# Altium PCB Terra.PcbDoc (part 1 of 7) (continued)
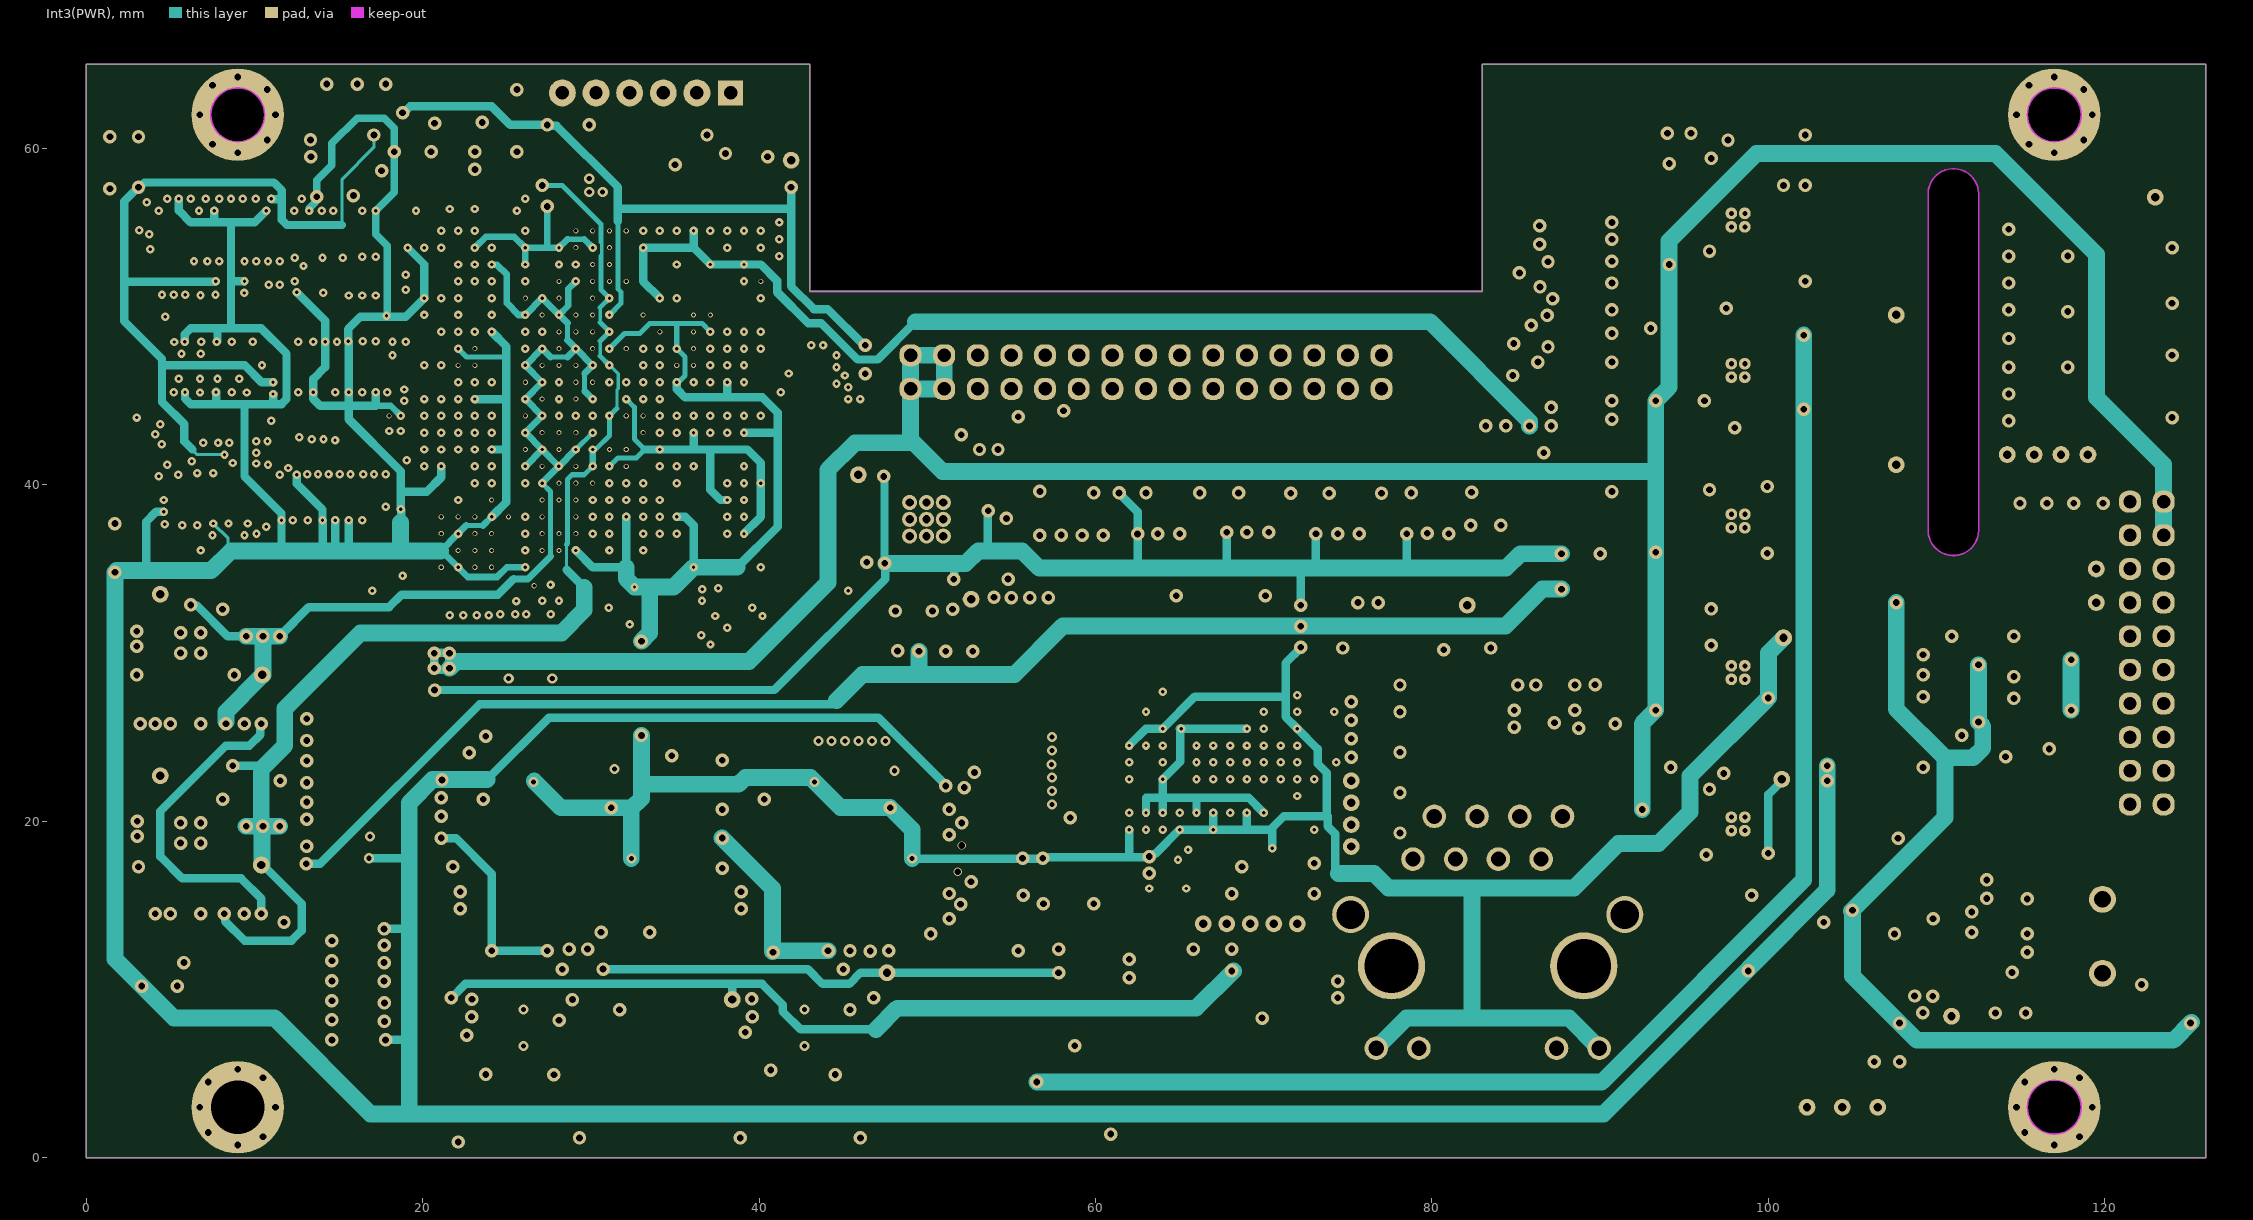
[diagram p4: Int3(PWR)]
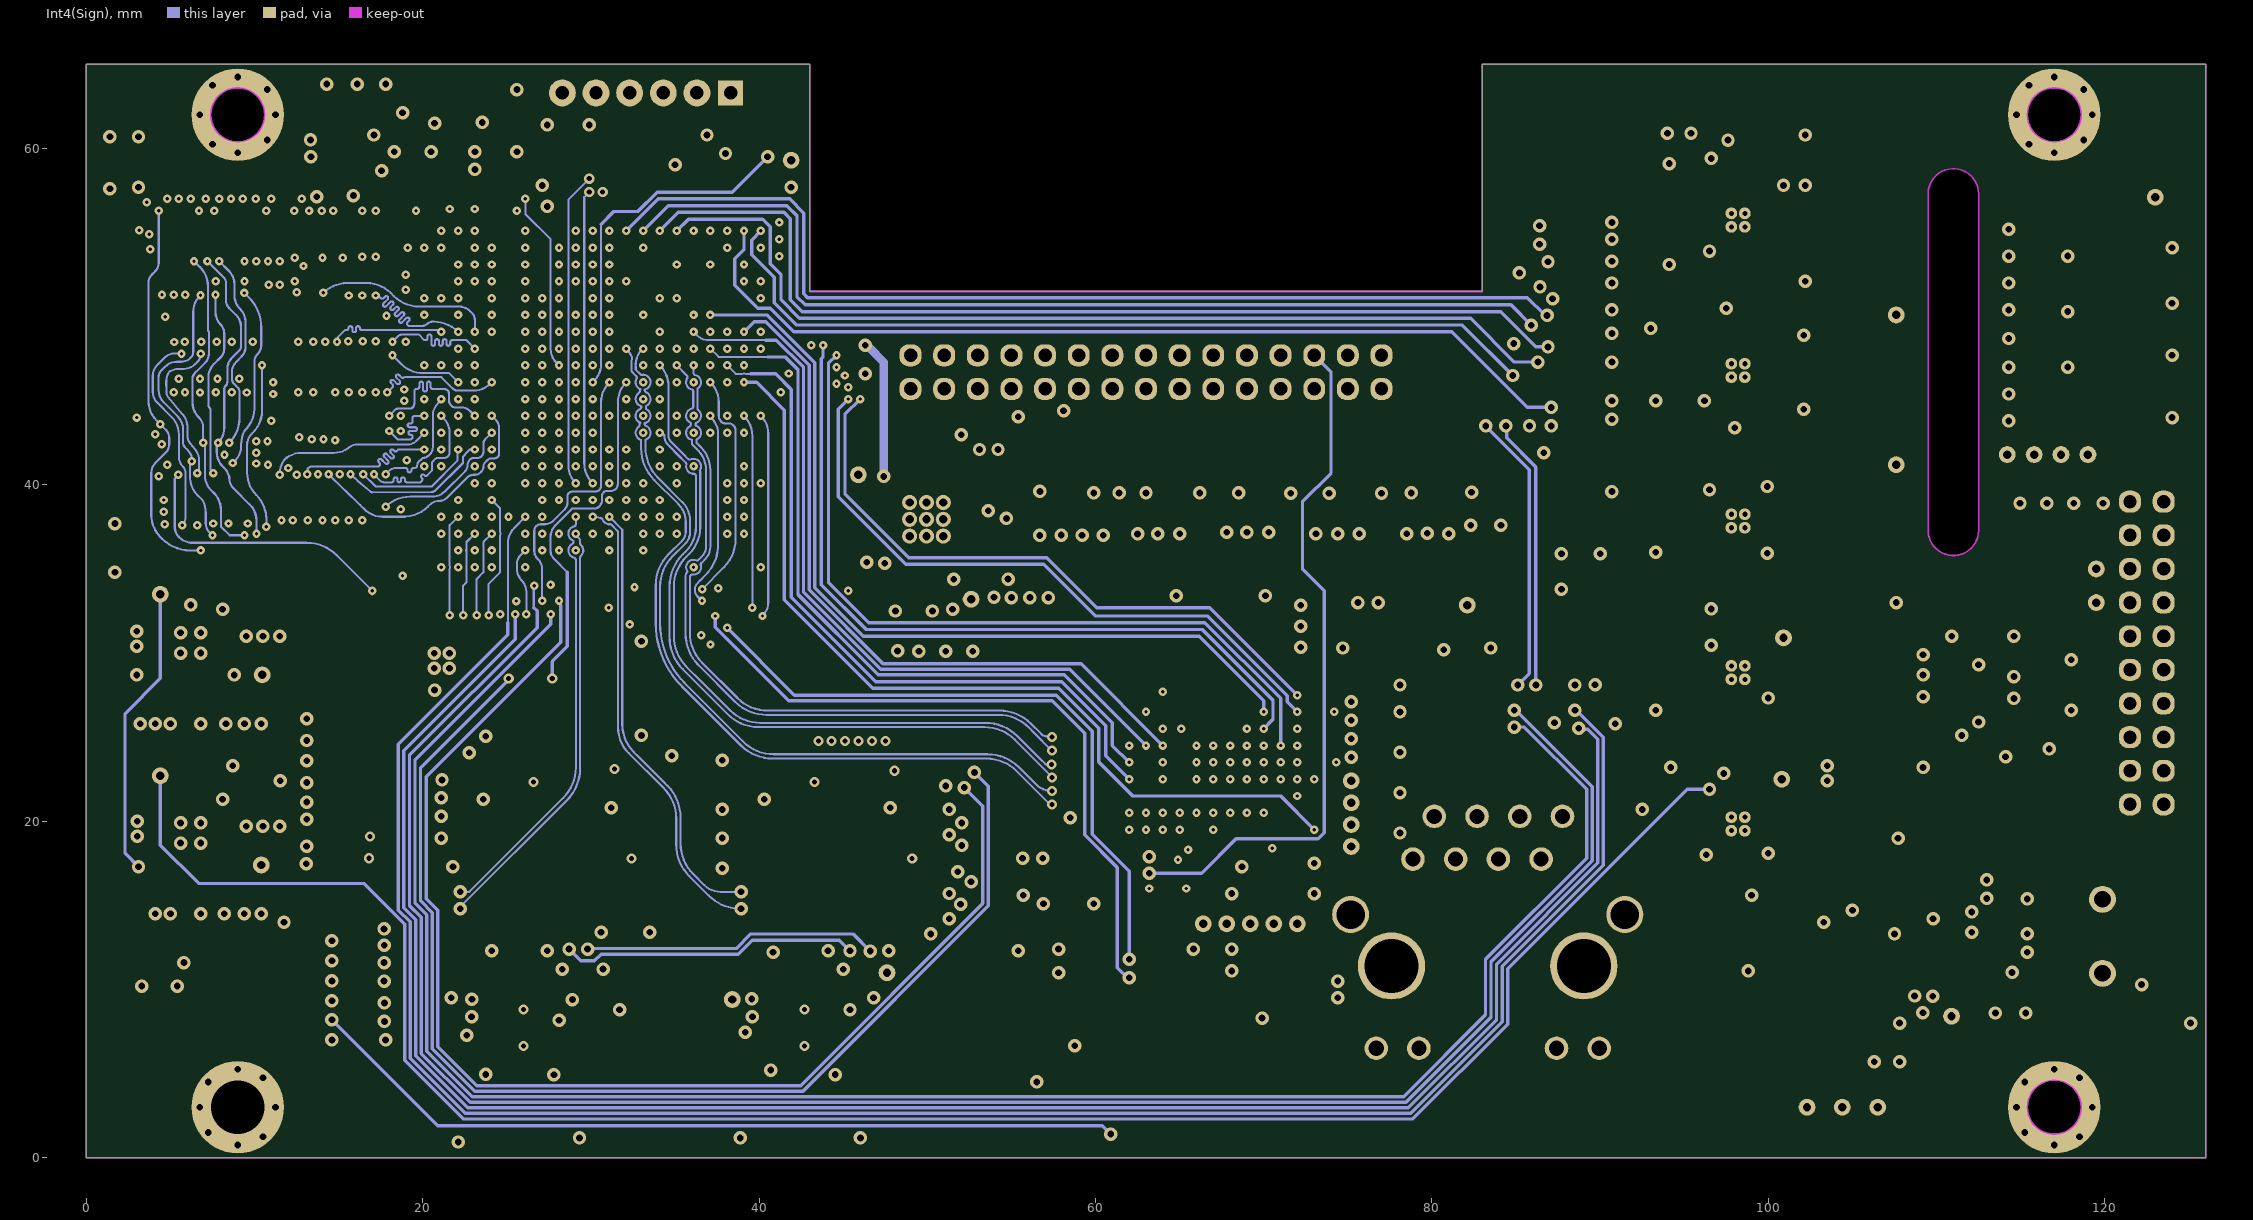
[diagram p5: Int4(Sign)]
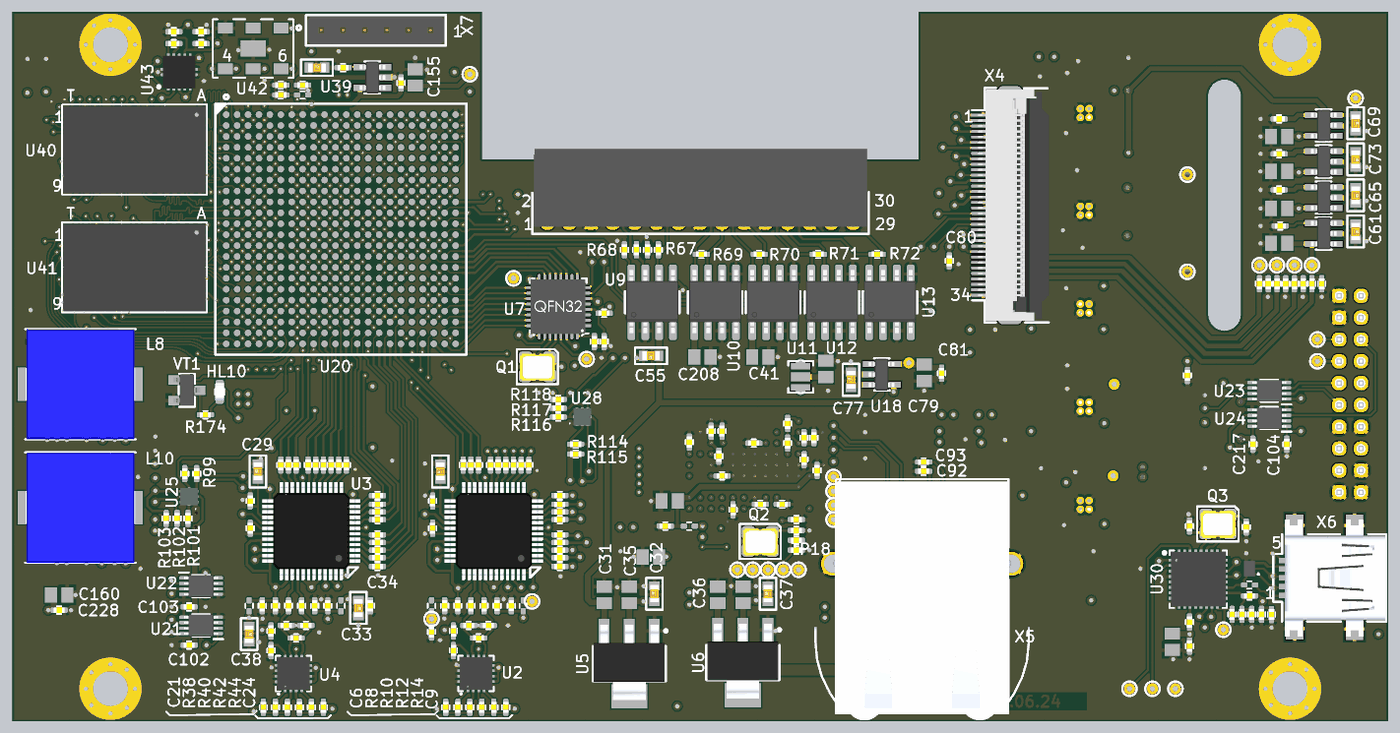
[diagram p12: 3D render of the assembled board from above, using the file's embedded part models]
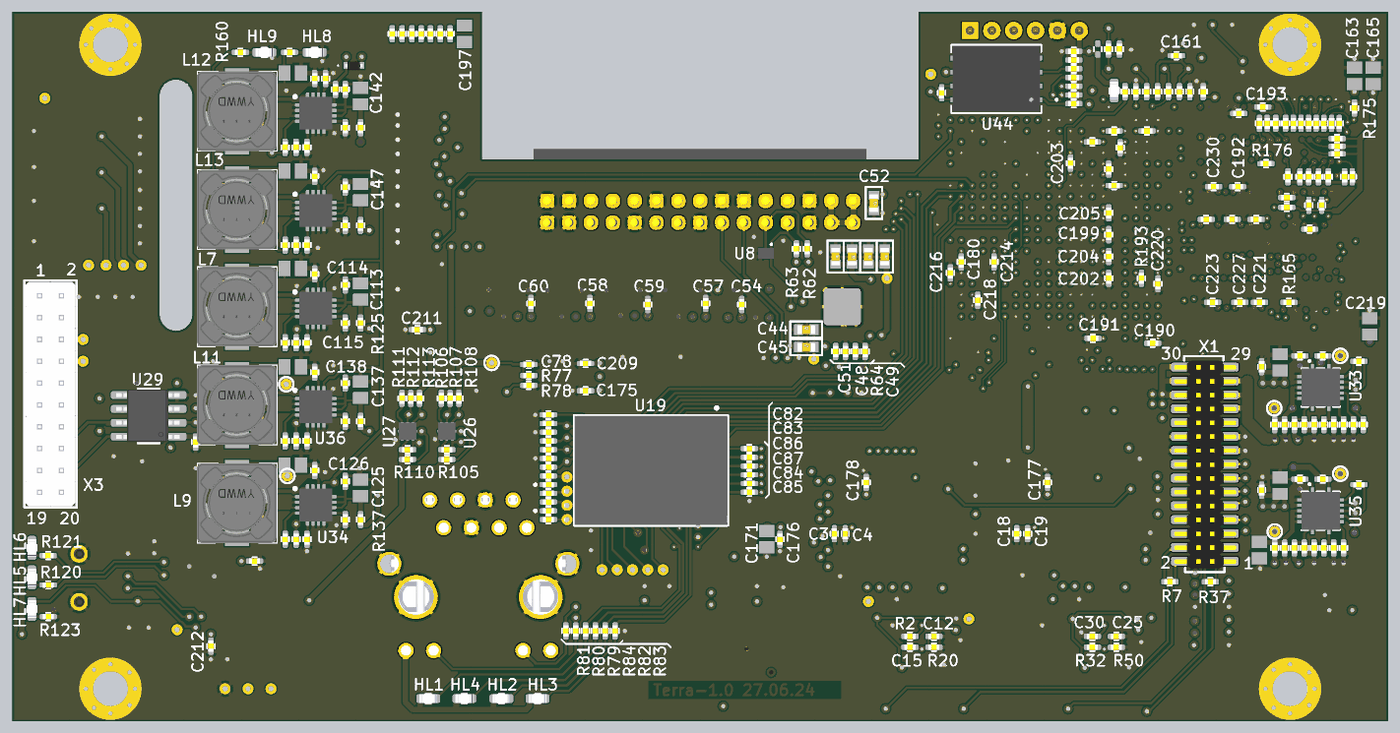
[diagram p13: 3D render of the assembled board from below, using the file's embedded part models]

## Layer stack, top to bottom
Top Solder: solder mask 0.0254, SM-001, Dk 4
Top Layer: signal copper 0.018
Dielectric 1: prepreg 0.115, PP-006, Dk 4.1
Dielectric 6: prepreg 0.125, PP-006, Dk 4.1
Int1 (Sign): signal copper 0.018
Dielectric 2: core 0.71, Core-027, Dk 4.5
Int2 (GND): signal copper 0.018
Dielectric 3: core 0.34, Core-027, Dk 4.5
Int3(PWR): signal copper 0.018
Dielectric 4: core 0.71, Core-027, Dk 4.5
Int4(Sign): signal copper 0.018
Dielectric 7: prepreg 0.125, PP-006, Dk 4.1
Dielectric 5: prepreg 0.115, PP-006, Dk 4.1
Bottom Layer: signal copper 0.018
Bottom Solder: solder mask 0.0254, SM-001, Dk 4

## Board outline
-0.001,-0.001 -0.001,64.999 42.999,64.999 42.999,51.499 82.999,51.499 82.999,64.999 125.999,64.999 125.999,-0.001
cut-out: 109.499,57.302 109.499,37.287 ccw(c110.998,37.287) 112.497,37.287 112.497,57.302 ccw(c110.998,57.302)

## Design rules (kind name [scope] priority, off if disabled: settings)
Clearance "Clearance DRILL" [(HasFootprint('DRILL 3.2'))] p1: gap=0 ignorepadtopadclearanceinfootprint=FALSE
Clearance Clearance_BGA [(InNetClass('DDR_ADDR') OR InNetClass('DDR_DATA_0_15') OR InNetClass('DDR_DATA_16_31') OR InNetClass('PLIS_OTHER') OR InNetClass('PLIS_OTHER2') OR InNetClass('Ethernet')  OR InNetClass('Ethernet2') OR  InNetClass('ADC') OR InNetClass('PLIS_SYS')) OR (InNet('+1.5V') OR InNet('VTTREF') OR (HasFootprint('FBG484')))] p2: gap=0.13 ignorepadtopadclearanceinfootprint=FALSE
Clearance Clearance_internal_layer [Not OnLayer('Top Layer')  And  Not OnLayer('Bottom Layer')] p3 off: gap=0.22 ignorepadtopadclearanceinfootprint=FALSE
Clearance Clearance_FILL [InPolygon] p4: gap=0.13 ignorepadtopadclearanceinfootprint=FALSE
Clearance Clearance_BGA2 [(HasFootprint('FBG484')) Or (HasFootprint('FBGA96_9X14_MRN')) Or (HasFootprint('MSOP-10'))  Or (HasFootprint('DRILL 3.2'))] p5: gap=0.13 ignorepadtopadclearanceinfootprint=FALSE
Clearance Clearance_OTHER [All] p6: gap=0.2 ignorepadtopadclearanceinfootprint=FALSE
DiffPairsRouting DiffPair_all_DiffPairsRouting [All] p1 off: maxlimit=0.4 minlimit=0.12 mostfreqgap=0.2 toplayer_minwidth=0.2 toplayer_maxwidth=0.25 toplayer_prefwidth=0.2 midlayer3_minwidth=0.2 midlayer3_maxwidth=0.25 midlayer3_prefwidth=0.2 midlayer4_minwidth=0.2 midlayer4_maxwidth=0.25 midlayer4_prefwidth=0.2 midlayer5_minwidth=0.2 midlayer5_maxwidth=0.25 midlayer5_prefwidth=0.2 midlayer6_minwidth=0.2 midlayer6_maxwidth=0.25 midlayer6_prefwidth=0.2 bottomlayer_minwidth=0.2 bottomlayer_maxwidth=0.25 bottomlayer_prefwidth=0.2 maxuncoupledlength=8
HoleSize [All] p1: absolutevalues=TRUE maxlimit=3.2 minlimit=0.2 maxpercent=80.000 minpercent=20.000
PlaneConnect Plane_ConnectStyle_2 [(Name = '~FV70-FV') Or (Name = '~FV71-FV') Or (Name = '~FV78-FV') Or (Name = '~FV96-FV') Or (Name = '~FV240-FV') Or (Name = '~FV387-FV') Or (Name = '~FV388-FV')] p1: planeconnectstyle=Relief reliefexpansion=1.27 reliefentries=4 reliefconductorwidth=0.381 reliefairgap=0.508
PlaneConnect Plane_ConnectStyle_1 [(Name = '~FV5-FV') Or (Name = '~FV16-FV') Or (Name = '~FV17-FV') Or (Name = '~FV27-FV') Or (Name = '~FV28-FV') Or (Name = '~FV29-FV') Or (Name = '~FV60-FV') Or (Name = '~FV61-FV') Or (Name = '~FV63-FV') Or (Name = '~FV64-FV') Or (Name = '~FV69-FV')] p2: planeconnectstyle=Relief reliefexpansion=1.27 reliefentries=4 reliefconductorwidth=0.381 reliefairgap=0.508
PlaneConnect [All] p3: planeconnectstyle=Relief reliefexpansion=0.635 reliefentries=4 reliefconductorwidth=0.305 reliefairgap=0.305
PolygonConnect ConnectToDrill [InNet('GND') vs (HasFootprint('Drill 2.8')) Or (HasFootprint('Drill 2.2'))] p1: connectstyle=Direct reliefconductorwidth=0.254 reliefentries=4 polygonreliefangle="90 Angle" airgapwidth=0.254
PolygonConnect [(HasRoundHole)] p2: connectstyle=Relief reliefconductorwidth=0.3 reliefentries=4 polygonreliefangle="45 Angle" airgapwidth=0.254
PolygonConnect PolygonConnectToVia [(IsVia)] p3: connectstyle=Direct reliefconductorwidth=0.254 reliefentries=4 polygonreliefangle="90 Angle" airgapwidth=0.254
PolygonConnect PolygonConnectRound [All] p4: connectstyle=Relief reliefconductorwidth=0.3 reliefentries=4 polygonreliefangle="90 Angle" airgapwidth=0.254
RoutingCorners [(InNetClass('DDR_ADDR') OR InNetClass('DDR_DATA_0_15') OR InNetClass('DDR_DATA_16_31') OR InNetClass('PLIS_OTHER') OR InNetClass('PLIS_OTHER2') OR InNetClass('Ethernet')  OR InNetClass('Ethernet2') OR  InNetClass('ADC') OR InNetClass('PLIS_SYS')) OR (InNet('+1.5V') OR InNet('VTTREF'))] p1: cornerstyle=Round minsetback=2 maxsetback=2
RoutingTopology [All] p1: topology=Daisy_Balanced
RoutingVias Vias_BGA [(InNetClass('DDR_ADDR') OR InNetClass('DDR_DATA_0_15') OR InNetClass('DDR_DATA_16_31') OR InNetClass('PLIS_OTHER') OR InNetClass('PLIS_OTHER2') OR InNetClass('Ethernet')  OR InNetClass('Ethernet2') OR  InNetClass('ADC') OR InNetClass('PLIS_SYS')) OR (InNet('+1.5V') OR InNet('VTTREF'))] p1: holewidth=0.3 width=0.6 viastyle="Through Hole" minholewidth=0.3 minwidth=0.6 maxholewidth=0.3 maxwidth=0.6
RoutingVias Vias_OTHER [All] p2: holewidth=0.4 width=0.8 viastyle="Through Hole" minholewidth=0.4 minwidth=0.8 maxholewidth=0.4 maxwidth=1
SilkToSolderMaskClearance SilkscreenOverComponentPads [IsPad] p1: minsilkscreentomaskgap=0.254 clearancetoexposedcopper=TRUE
SolderMaskExpansion [All] p1: expansion=0 istentingtop=FALSE
Width Width_BGA [(InNetClass('DDR_ADDR') OR InNetClass('DDR_DATA_0_15') OR InNetClass('DDR_DATA_16_31') OR InNetClass('PLIS_OTHER') OR InNetClass('PLIS_OTHER2') OR InNetClass('Ethernet')  OR InNetClass('Ethernet2') OR  InNetClass('ADC') OR InNetClass('PLIS_SYS')) OR (InNet('+1.5V') OR InNet('VTTREF'))] p1: maxlimit=0.2 minlimit=0.12 preferedwidth=0.13
Width DiffPair_all_Width [InNet('No Net')] p2: maxlimit=0.22 minlimit=0.18 preferedwidth=0.2
Width [All] p3: maxlimit=0.5 minlimit=0.2 preferedwidth=0.2
24 further rules are at their usual default settings.

## Classes and differential pairs
net class Ethernet2: PHY_MDIP0n PHY_MDIP0p PHY_MDIP1n PHY_MDIP1p PHY_MDIP2n PHY_MDIP2p PHY_MDIP3n PHY_MDIP3p PHY_RX_CLK PHY_RX_DV PHY_RX_ERR PHY_RXC PHY_RXD0 PHY_RXD1 PHY_RXD2 PHY_RXD3 PHY_TX_EN S_CLK_N S_CLK_P S_IN_N S_IN_P S_OUT_N S_OUT_P TST1 TST2 TST3 TST4 TST5 TST6 TST7
net class PLIS_OTHER2: ADC_RESn USB_DATA0 USB_DATA1 USB_DATA2 USB_DATA3 USB_DATA5 USB_DATA6 USB_DATA7 xADC_SCL xADC_SDA xBiSS1_CLK xBiSS1_DATA xBiSS2_CLK xBiSS2_DATA xCAM_SCL xCAM_SDA xCAN_STB xCAN_TX xEXT_SCL xEXT_SDA xLASER_LVDS xLS_DISABLE xLS_EN_POW xLS_SCL xLS_SDA xLS_SHDN xUSB_24MHZ xUSB_DIR xUSB_NXP xUSB_RES xUSB_SCK xUSB_STP xUSB_UART_RX xUSER_OUT
net class PLIS_OTHER: DDR3_BA0 DDR3_BA1 DDR3_BA2 DDR3_CAS DDR3_CKE0 DDR3_CLK0_N DDR3_CLK0_P DDR3_DM0 DDR3_DM1 DDR3_DM2 DDR3_DM3 DDR3_DQS0_N DDR3_DQS0_P DDR3_DQS1_N DDR3_DQS1_P DDR3_DQS2_N DDR3_DQS2_P DDR3_ODT DDR3_RAS DDR3_RESET DDR3_S0 DDR3_WE DDR3_ZQ1 DDR3_ZQ2 LED1 SYS_CLK_N SYS_CLK_P
net class DDR_ADDR: DDR3_A0 DDR3_A1 DDR3_A2 DDR3_A3 DDR3_A4 DDR3_A5 DDR3_A6 DDR3_A7 DDR3_A8 DDR3_A9 DDR3_A10 DDR3_A11 DDR3_A12 DDR3_A13 DDR3_A14
net class DDR_DATA_16_31: DDR3_D16 DDR3_D17 DDR3_D18 DDR3_D19 DDR3_D20 DDR3_D21 DDR3_D22 DDR3_D23 DDR3_D24 DDR3_D25 DDR3_D26 DDR3_D27 DDR3_D28 DDR3_D29 DDR3_D30 DDR3_D31
net class DDR_DATA_0_15: DDR3_D0 DDR3_D1 DDR3_D2 DDR3_D3 DDR3_D4 DDR3_D5 DDR3_D6 DDR3_D7 DDR3_D8 DDR3_D9 DDR3_D10 DDR3_D11 DDR3_D12 DDR3_D13 DDR3_D14 DDR3_D15
component class "Xilinx DDR": C162 C164 C166 R164 R165 R166 R167 R168 R169 R170 R171 R172 R173 R175 R176 R177 R178 R179 R180 R181 R182 R183 R184 R185 R188 R190 R191 R192 R194 R195 R196 R197 R200 R201 U43
component class Power1.0: C112 C118 C119 C120 C121 C122 C123 L8 R128 R131 R132 R133 R135 R136 TP26 TP28 U33
net class POWER: +1.0V +1.2V +1.5V +1.8V +2.5V +3.3V +5.0V +12V_INPUT GND
net class Ethernet: ENET_INTn ENET_LED1 ENET_LED2 ENET_LED3 ENET_LED4 ENET_LED5 ENET_LED6 ENET_MDC ENET_MDIO ENET_RESETn PHY_125MHZ PHY_COL PHY_CRS PHY_RX_CLK PHY_RX_DV PHY_RXC PHY_RXD0 PHY_RXD1 PHY_RXD2 PHY_RXD3 PHY_RXD4 PHY_RXD5 PHY_RXD6 PHY_RXD7 PHY_TRSTn PHY_TX_EN PHY_TXC PHY_TXD0 PHY_TXD1 PHY_TXD2 PHY_TXD3 PHY_TXD4 PHY_TXD5 PHY_TXD6 PHY_TXD7 S_CLK_N S_CLK_P S_IN_N S_IN_P S_OUT_N S_OUT_P xS_CLK_N xS_CLK_P xS_IN_N xS_IN_P xS_OUT_N xS_OUT_P
net class ADC: ADC0_CLK_N ADC0_CLK_P ADC0_CSn ADC0_D0 ADC0_D1 ADC0_D2 ADC0_D3 ADC0_D4 ADC0_D5 ADC0_D6 ADC0_D7 ADC0_D8 ADC0_D9 ADC0_D10 ADC0_D11 ADC0_D12 ADC0_D13 ADC0_D14 ADC0_D15 ADC0_DCO ADC0_OR ADC1_CLK_N ADC1_CLK_P ADC1_CSn ADC1_D0 ADC1_D1 ADC1_D2 ADC1_D3 ADC1_D4 ADC1_D5 ADC1_D6 ADC1_D7 ADC1_D8 ADC1_D9 ADC1_D10 ADC1_D11 ADC1_D12 ADC1_D13 ADC1_D14 ADC1_D15 ADC1_DCO ADC1_OR ADC_PWR ADC_RESn ADC_SDIO
net class PLIS_SYS: DONE FPGA_TCK FPGA_TDI FPGA_TDO FPGA_TMS QSPI_CLK QSPI_CS QSPI_DQ0 QSPI_DQ1 QSPI_DQ2 QSPI_DQ3 SYS_INIT SYS_M0 SYS_PGB VCC_ADC
net class CAMERA: CAM_MC_N CAM_MC_P CAM_MCLK CAM_MD0_N CAM_MD0_P CAM_MD1_N CAM_MD1_P CAM_MD2_N CAM_MD2_P CAM_MD3_N CAM_MD3_P CAM_RES FSTROBE SCA SCL
component class Power5.0: C147 C148 C149 C150 C151 L13 R158 R159 R161 R162 TP33 U38
component class Xilinx_SYS: HL11 R202 R203 R204 R205 R206 R207 R208 U44 X7
component class CAM_POWER: C61 C62 C63 C64 C65 C66 C67 C68 C69 C70 C71 C72 C73 C74 C75 C76 C77 C78 C79 C80 C81 R73 R74 R75 R76 R77 R78 TP7 TP8 TP9 TP10 TP11 U14 U15 U16 U17 U18
component class SystemCLK: C156 C157 C159 C161 C167 C168 L14 R186 R187 R189 R193 R198 R199 U42
component class ADC_POWER: C32 C33 C34 C37 C38 C39 TP1 TP2 U5 U6
component class Power3.3: C113 C114 C115 C116 C117 L7 R125 R126 R127 R129 TP25 U32
component class USB-2.0: C42 C43 C44 C45 C46 C47 C48 C49 C50 C51 Q1 R61 R62 R63 R64 R65 TP3 TP4 U8
component class "LEVEL SHIFTER": R99 R100 R101 R102 R103 R104 R105 R106 R107 R108 R109 R110 R111 R112 R113 R114 R115 R116 R117 R118 U25 U26 U27 U28 U29
component class "CAN BUS": C52 C53 C54 C55 C56 R66 R67 R68 U9
component class BiSS: C57 C58 C59 C60 R69 R70 R71 R72 U10 U11 U12 U13
component class ADC-2: C16 C17 C18 C19 C20 C21 C22 C23 C24 C25 C26 C27 C28 C29 C30 L3 L4 R31 R32 R33 R34 R35 R36 R37 R38 R39 R40 R41 R42 R43 R44 R45 R46 R47 R48 R49 R50 R51 R52 R53 R54 R55 R56 R57 R58 R59 R60 U3 U4
component class ADC-1: C1 C2 C3 C4 C5 C6 C7 C8 C9 C10 C11 C12 C13 C14 C15 L1 L2 R1 R2 R3 R4 R5 R6 R7 R8 R9 R10 R11 R12 R13 R14 R15 R16 R17 R18 R19 R20 R21 R22 R23 R24 R25 R26 R27 R28 R29 R30 U1 U2
component class UART_USB: C106 C107 C108 C109 C110 C111 HL5 HL6 HL7 L6 Q3 R119 R120 R121 R122 R123 R124 TP21 TP22 TP23 TP24 U30 U31 X6
component class Power2.5: C137 C138 C139 C140 C141 L11 R147 R148 R149 R150 TP31 U36
component class "Xilinx PWR": C31 C35 C36 C40 C41 C96 C99 C102 C103 C104 C158 C160 C163 C165 C169 C170 C171 C172 C173 C174 C175 C176 C177 C178 C179 C180 C181 C182 C183 C184 C185 C186 C187 C188 C189 C190 C191 C192 C193 C194 C195 C196 C197 C198 C199 C200 C201 C202 C203 C204 C205 C206 C207 C208 C209 C210 C211 C212 C213 C214 C215 C216 C217 C218 C219 C220 C221 C222 C223 C224 C225 C226 C227 C228 C229 C230 L15
component class Power33cam: C142 C143 C144 C145 C146 L12 R151 R152 R153 R155 R156 R157 TP32 U37
component class Ethernet: C82 C83 C84 C85 C86 C87 C88 C89 C90 C91 C92 C93 C94 C95 C97 C98 C100 C101 HL1 HL2 HL3 HL4 L5 Q2 R79 R80 R81 R82 R83 R84 R85 R86 R87 R88 R89 R90 R91 R92 R93 R94 R95 R96 R97 R98 TP12 TP13 TP14 TP15 TP16 TP17 TP18 TP19 TP20 U19
component class Power1.8: C124 C130 C132 C133 C134 C135 C136 L10 R140 R142 R143 R144 R145 R146 TP29 TP30 U35
component class Power1.5: C105 C125 C126 C127 C128 C129 L9 R137 R138 R139 R141 TP27 U34
differential pair SYS_CLK: +SYS_CLK_P -SYS_CLK_N
differential pair S_OUT: +S_OUT_P -S_OUT_N
differential pair S_IN: +S_IN_P -S_IN_N
differential pair S_CLK: +S_CLK_P -S_CLK_N
differential pair ADC1_CLK: +ADC1_CLK_P -ADC1_CLK_N
differential pair ADC0_CLK: +ADC0_CLK_P -ADC0_CLK_N
differential pair LASER_LVDS: +LASER_LVDS_P -LASER_LVDS_N
differential pair CAM_MC: +CAM_MC_P -CAM_MC_N
